# Altium PCB OBC.PcbDoc (part 1 of 2) (continued)
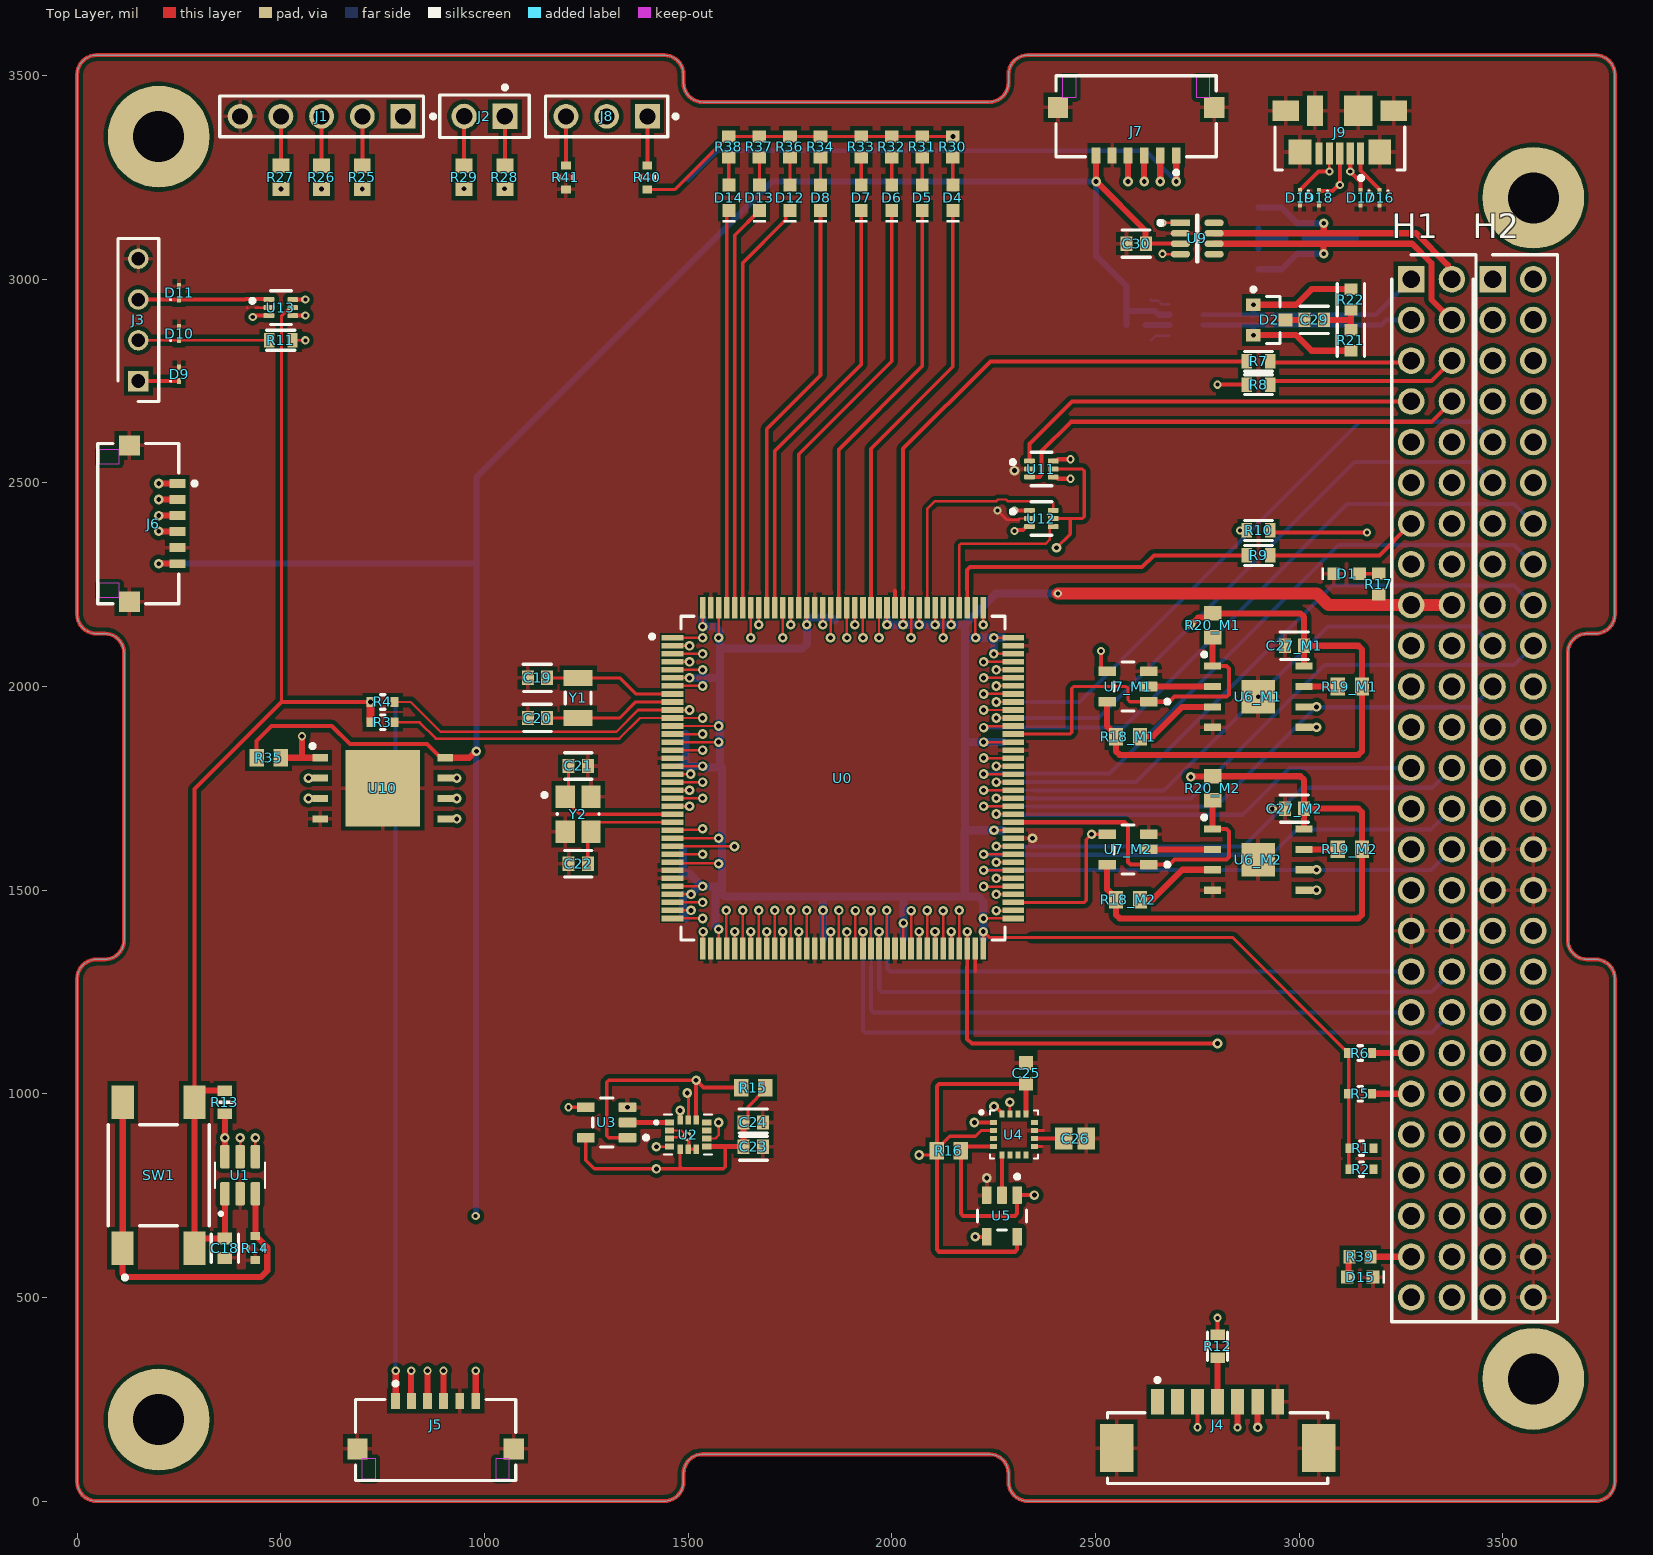
[diagram p0: Top Layer view]
## Part data
C1 C4: library part CMP-06035-000034-2, "CAP CER 4.7UF 10V X7S 0603", Case Code (Imperial)=0603, Case Code (Metric)=1608, Dielectric=X7S, Max Operating Temperature=125°C, Min Operating Temperature=-55°C, Package Quantity=4000, Resistor Type=Ceramic, Tolerance=10%, Voltage Rating=10V, Capacitance=4.7uF, Case/Package=0603, Height=0.8mm, Length=1.6mm, Material=Ceramic, Mount="Surface Mount", Packaging="Tape and Reel", Termination=SMD/SMT, Thickness=0.037inch, Voltage Rating (DC)=10V, Weight=0.000222oz, Width=0.8mm
C2 C3 C5 C6 C7 C8 C9 C10 C11 C12 C13 C17 C18 C23 C24 C27_M1 C27_M2 C28 C30: library part CMP-2006-03061-2, "CAP CER 0.1UF 50V X7R 0603", Capacitance="0.10 μF", Manufacturer=KEMET, Manufacturer Part Number=C0603C104K5RACTU, Package=C0603C-CF, Temperature="-55°C to +125°C", Temperature Characteristic=X7R, Temperature Coefficient=30ppm/°C, Temperature Range High=+125°C, Temperature Range Low=-55°C, Tolerance=0.1, Voltage Rating="50 V", Automotive=Yes, Automotive Grade="Grade 1", Category=Cap, ComponentLink2Description=Datasheet, ComponentLink2URL=https://api.kemet.com/component-edge/download/datasheet/C0603C100J5GACAUTO.pdf, Device Class L1="Passive Components", Device Class L2=Capacitors, Device Class L3="Ceramic Capacitors", Digikey Description="CAP CER 0.1UF 50V X7R 0603", Height=0.87mm, Lead Free=Yes, Material=Ceramic, Octopart=https://octopart.com/c0603c104k5ractu-kemet-139244, RoHS=TRUE
C14: library part CMP-2006-02943-2, "Chip Multilayer Ceramic Capacitors for General Purpose, 0603, 10000pF, X7R, 15%, 10%, 100V", Case Code (Imperial)=0603, Case Code (Metric)=1608, Dielectric=X7R, Max Operating Temperature=125°C, Min Operating Temperature=-55°C, Package Quantity=4000, Tolerance=10%, Voltage=100V, Capacitance=10nF, Case/Package=0603, Depth=0.8mm, Height=0.8mm, Lead Free="Lead Free", Length=1.6mm, Material=Ceramic, Mount="Surface Mount", Packaging="Tape and Reel", Radiation Hardening=No, REACH SVHC="No SVHC", Termination=SMD/SMT, Thickness=0.035inch, Voltage Rating=100V, Voltage Rating (DC)=100V, Width=0.031inch
C15 C16 C25: library part CMP-2006-02298-2, Manufacturer=Kemet, Part Number=C0603C105K4RACTU
C19 C20: library part CMP-2006-03373-2, "CAP CER 1.5PF 100V NP0 0603", Capacitance="1.5 pF", Manufacturer=KEMET, Manufacturer Part Number=C0603C159C1GACTU, Package=C0603C-CF, Temperature="-55°C to +125°C", Temperature Characteristic=C0G, Temperature Coefficient=30ppm/°C, Temperature Range High=+125°C, Temperature Range Low=-55°C, Tolerance="0.25 pF", Voltage Rating="100 V", Automotive=Yes, Automotive Grade="Grade 1", Category=Cap, ComponentLink2Description=Datasheet, ComponentLink2URL=https://api.kemet.com/component-edge/download/datasheet/C0603C100J5GACAUTO.pdf, Device Class L1="Passive Components", Device Class L2=Capacitors, Device Class L3="Ceramic Capacitors", Digikey Description="CAP CER 1.5PF 100V NP0 0603", Height=0.87mm, Lead Free=Yes, Material=Ceramic, Mouser Description="Multilayer Ceramic Capacitors MLCC - SMD/SMT 100volts 1.5pF C0G 0.25%", Octopart=https://octopart.com/c0603c159c1gactu-kemet-9144220, RoHS=TRUE
C21 C22: library part CMP-2006-02987-2, "CAP CER 3.9PF 250V C0G/NP0 0603", Capacitance="3.9 pF", Manufacturer=KEMET, Manufacturer Part Number=CBR06C399CAGAC, Package=CBR06C, Temperature="-55°C to +125°C", Temperature Characteristic=C0G, Temperature Coefficient=30ppm/°C, Temperature Range High=+125°C, Temperature Range Low=-55°C, Tolerance="0.25 pF", Voltage Rating="250 V", Automotive=No, Category=Cap, ComponentLink2Description=Datasheet, ComponentLink2URL=https://content.kemet.com/datasheets/KEM_C1030_CBR_SMD.pdf, Device Class L1="Passive Components", Device Class L2=Capacitors, Device Class L3="Ceramic Capacitors", Digikey Description="CAP CER 3.9PF 250V C0G/NP0 0603", Height=0.87mm, Ipc Land Pattern Name=CAPC16080X80, Lead Free=Yes, Material=Ceramic, Mouser Description="Multilayer Ceramic Capacitors MLCC - SMD/SMT 250volts 3.9pF C0G 0603 .25pF Tol RF", Octopart=https://octopart.com/cbr06c399cagac-kemet-20446767, RoHS=TRUE
C26: library part CMP-2007-01044-1, Manufacturer=Kemet, Part Number=C0805C106K8RACTU
C29 C31: library part CMP-2006-03218-2, "CAP CER 4700PF 200V 10% X7R 0603", Capacitance="4,700 pF", Manufacturer=KEMET, Package=C0603C-CF, Temperature="-55°C to +125°C", Temperature Characteristic=X7R, Temperature Coefficient=30ppm/°C, Temperature Range High=+125°C, Temperature Range Low=-55°C, Tolerance=0.1, Voltage Rating="200 V", Automotive=Yes, Automotive Grade="Grade 1", Category=Cap, ComponentLink2Description=Datasheet, ComponentLink2URL=https://api.kemet.com/component-edge/download/datasheet/C0603C100J5GACAUTO.pdf, Device Class L1="Passive Components", Device Class L2=Capacitors, Device Class L3="Ceramic Capacitors", Digikey Description="CAP CER 4700PF 200V 10% X7R 0603", Height=0.87mm, Lead Free=Yes, Manufacturer Part Number=C0603C472K2RACTU, Material=Ceramic, Octopart=https://octopart.com/c0603c472k2ractu-kemet-17058096, RoHS=TRUE
D1 D4 D5 D6 D7 D8 D12 D13 D14 D15: library part CMP-1426-00001-4, "LED Low-Power Uni-Color Red 630nm 2V 2-Pin Chip 0603(1608Metric) T/R", Case Code (Imperial)=0603, Case Code (Metric)=1608, Color=Red, Forward Current=100mA, Forward Voltage=2V, Max Junction Temperature (Tj)=95°C, Max Operating Temperature=85°C, Max Reverse Voltage (DC)=5V, Min Operating Temperature=-40°C, Power Dissipation=72mW, Test Current=20mA, Case/Package=0603, Dominant Wavelength=625nm, Height=700µm, Length=1.6mm, Lens Style="Clear, Rectangular", Luminous Intensity=250mcd, Mount="Surface Mount", Packaging="Tape and Reel", Peak Wavelength=630nm, REACH SVHC=Unknown, Reverse Voltage=5V, RoHS=Compliant, Viewing Angle=140°, Wavelength=625nm, Width=800µm
D2 D3: library part CMP-1063-00164-1, "Dual Line CAN Bus Protector, 3-Pin SOT-23, Pb-Free, Tape and Reel", Manufacturer="On Semiconductor", C Max (pF)=30, ComponentLink1Description="Manufacturer URL", ComponentLink1URL=http://www.onsemi.com/, ComponentLink2Description=Datasheet, ComponentLink2URL=http://www.onsemi.cn/pub_link/Collateral/NUP2105L-D.PDF, ComponentLink3Description="Package Specification", ComponentLink3URL=http://www.onsemi.cn/pub_link/Collateral/318-08.PDF, DatasheetVersion="Rev. 5", Direction=Bidirectional, IR Max (uA)=0.1, Mounting Technology="Surface Mount", Number of Lines=2, PackageDescription="3-Pin Small Outline Transistor, Body 2.92 x 1.3 mm, Pitch 0.95 mm", PackageReference=SOT-23-3-318-08, PackageVersion="Rev. AP, 11/2009", Packing="Tape and Reel", PartNumber=NUP2105LT1G, PPK Max (W)=350, RoHS=Pb-Free, V(BR) Min (V)=26.2
D9 D10 D11 D16 D17 D18 D19: library part CMP-1063-00119-1, "Transient Voltage Suppressor, Micro-Packaged Diode for ESD Protection, 2-Pin SOD-923, Pb-Free, Tape and Reel", Manufacturer="On Semiconductor", ComponentLink1Description="Manufacturer URL", ComponentLink1URL=http://www.onsemi.com/, ComponentLink2Description=Datasheet, ComponentLink2URL=http://www.onsemi.cn/pub_link/Collateral/ESD9B-D.PDF, ComponentLink3Description="Package Specification", ComponentLink3URL=http://www.onsemi.com/pub_link/Collateral/514AB.PDF, DatasheetVersion="Rev. 2", Direction=Bidirectional, IR Max (uA)=1, Mounting Technology="Surface Mount", Number of Lines=1, PackageDescription="2-Pin SOD, Body 0.8 x 0.6 mm", PackageReference=SOD-923-2-514AB-01, PackageVersion="Rev. C, 03/2011", Packing="Tape and Reel", PartNumber=ESD9B5.0ST5G, RoHS=Pb-Free, V(BR) Min (V)=5.8, VRWM Max (V)=5
H1 H2: library part CMP-002-00086-1, "PC / 104 Connectors Elevated Socket Strip", Manufacturer_Name=SAMTEC, Mouser Part Number=200-ESQ12639GD001, Arrow Part Number=ESQ-126-39-G-D-001, Arrow Price/Stock=https://www.arrow.com/en/products/esq-126-39-g-d-001/samtec?region=nac, Datasheet Link=http://suddendocs.samtec.com/catalog_english/esq_th.pdf, Design Item ID=ESQ-126-39-G-D-001, Height=11.35mm, Manufacturer_Part_Number=ESQ-126-39-G-D-001, Mouser Price/Stock=https://www.mouser.co.uk/ProductDetail/Samtec/ESQ-126-39-G-D-001?qs=PB6%2FjmICvI2K%2FCIgL4SVbg%3D%3D, Source=SamacSys.SchLib
J1: library part CMP-00257-00655425-1, "90120-0125 2.54mm Pitch C-Grid III Header, Single Row, Vertical, 5 Circuits, Tin (Sn) Plating", Contact Resistance=20mΩ, Current Rating=3A, Housing Color=Black, Manufacturer Lifecycle Status=ACTIVE, Max Operating Temperature=125°C, Max Voltage Rating (DC)=350.35kV, Min Operating Temperature=-55°C, Voltage Rating=350V, Contact Gender=Male, Contact Material=Brass, Contact Plating=Tin, Country of Origin=SK, Gender=Male, Glow Wire Compliant=Non-compliant, Housing Material=Polyester, Lead Free="Lead Free", Lead Length=2.9mm, Lead Pitch=2.54mm, Lifecycle Status=Production, Mating Post Length=6.75mm, Mount="Through Hole", NexarPartId=655425, Number of Circuits=5, Number of Contacts=5, Number of Pins=5, Number of Positions=5, Number of Rows=1, Orientation=Vertical, Packaging=Bulk, Pitch=2.54mm, Plating=Tin, Radiation Hardening=No, REACH SVHC="No SVHC", RoHS=Compliant, Schedule B=8536694040, Termination=Solder, Voltage Rating (AC)=350V
J2: library part CMP-15831-000105-1, "CONN HEADER VERT 2POS 2.54MM", Case/Package=SIL, Color=Black, Contact Resistance=25mR, Current=3A, Flammability Rating="UL94 V-0", Insulation Resistance=10GR, Max Operating Temperature=105°C, Min Operating Temperature=-40°C, Package Quantity=1000, Voltage=50V, Voltage Rating (AC)=750V, Connector Type="Male Pin", Contact Finish - Mating=GOLD, Contact Material=Brass, Contact Mating Length=0.24inch, Contact Plating=Gold, Contact Shape=Square, Contact Type="Male Pin", Current Rating=3A, Depth=2.54mm, Fastening Type=Pull, Gender=Male, Height=0.12inch, Housing Color=Black, Housing Material=Nylon, Insulation Color=Black, Insulation Material=Nylon, Lead Pitch=2.54mm, Length=5.08mm, Mated Stacking Heights=16.54mm, Mating Cycles=300, Max Current Rating=3A, Mount="Through Hole", Number of Contacts=2, Number of Poles=2, Number of Positions=2, Number of Rows=1, Orientation=Straight, Packaging=Bulk, Pitch=2.54mm, Radiation Hardening=No, Reach SVHC Compliant=Yes, Series=M20, Termination=Solder, Weight=0.25lb, Width=0.25inch, Working Voltage=750V
J3: "Connector", Manufacturer_Name=Molex, Mouser Part Number=538-90120-0124, Datasheet Link=https://componentsearchengine.com/Datasheets/2/90120-0124.pdf, Height=9.45mm, Manufacturer_Part_Number=90120-0124, Mouser Price/Stock=https://www.mouser.co.uk/ProductDetail/Molex/90120-0124?qs=PvP5v7EimsmprSEogp1JLQ%3D%3D
J4: library part CMP-04776-000278-1, "CONN HEADER SMD R/A 7POS 1.25MM", Color=Natural, Contact Resistance=20mR, Current Rating=1A, Flammability Rating="UL94 V-0", Insulation Resistance=100MR, Max Operating Temperature=85°C, Min Operating Temperature=-40°C, Voltage Rating=125V, Body Plating=Tin, Connector Type="Blade Pin", Contact Gender=Male, Contact Material=Bronze, Contact Plating=Tin, Contact Type="Blade Pin", Depth=5.2mm, Housing Color=Natural, Housing Material=Nylon, Lead Pitch=1.25mm, Length=13.9mm, Mount="Surface Mount", Number of Contacts=7, Number of Positions=7, Number of Rows=1, Orientation="Right Angle", Packaging="Tape and Reel", Pitch=1.25mm, Radiation Hardening=No, RoHS Compliant=Yes, Series=PicoBlade, Termination=Solder, Voltage Rating (AC)=125V, Working Voltage=125V
J5 J6 J7: library part CMP-04776-000530-1, "CONN HEADER SMD R/A 6POS 1MM"
J8: library part CMP-04776-000237-1, "CONN HEADER VERT 3POS 2.54MM", Color=Black, Contact Resistance=20mR, Current Rating=3A, Max Operating Temperature=125°C, Max Voltage Rating (DC)=350.35kV, Min Operating Temperature=-55°C, Voltage Rating=350V, Contact Gender=Male, Contact Material=Brass, Contact Mating Length=6.75mm, Contact Plating=Tin, Contact Post Length=2.9mm, Gender=Male, Glow Wire Compliant=Non-compliant, Housing Color=Black, Housing Material=Polyester, Lead Free="Lead Free", Mount="Through Hole", Number of Circuits=3, Number of Contacts=3, Number of Positions=3, Number of Rows=1, Orientation=Vertical, Packaging=Tray, Pitch=2.54mm, Radiation Hardening=No, REACH SVHC="No SVHC", RoHS Compliant=Yes, Series=90120, Termination=Solder, Voltage Rating (AC)=350V
J9: library part CMP-2000-05246-2, "CONN RCPT USB2.0 MICRO B SMD R/A", Current Rating=1.8A, Manufacturer=Molex, Package=0, Temperature="-30°C to +85°C", Temperature Range High=+85°C, Temperature Range Low=-30°C, Voltage Rating=30V, Automotive=No, Category=Conn, ComponentLink2Description=Datasheet, ComponentLink2URL=https://www.molex.com/webdocs/datasheets/pdf/en-us/0473460001_IO_CONNECTORS.pdf, Conn Orientation="Right Angle", Contact Material=Gold,Nickel, Device Class L1=Connectors, Device Class L2="USB Connectors", Device Class L3=unset, Digikey Description="CONN RCPT USB2.0 MICRO B SMD R/A", Footprint Url=https://www.molex.com/pdm_docs/sd/473460001_sd.pdf, Height=2.945mm, Is Female=yes, Lead Free=Yes, Manufacturer Part Number=473460001, Number of Contacts=5, Octopart=https://octopart.com/47346-0001-molex-7164928, Pitch=0.65mm, RoHS=TRUE, Shielding=true, Usb Standard="USB 2.0"
R1 R2 R3 R4 R5 R6 R14 R40 R41: library part CMP-2000-01851-2, "RES 10K OHM 5% 1/10W 0603", Case Code (Imperial)=0603, Case Code (Metric)=1608, Max Operating Temperature=155°C, Min Operating Temperature=-55°C, Package Quantity=5000, Power Rating=100mW, Resistance=10kR, Resistance Tolerance=5%, Resistor Type="Thick Film", Temperature Coefficient=200ppm/°C, Voltage Rating=50V, Case/Package=0603, Construction=Rectangular, Depth=0.8mm, Height=0.45mm, Lead Free="Lead Free", Length=1.6mm, Military Standard=Not, Number of Pins=2, Packaging="Tape and Reel", RoHS Compliant=Yes, Series=RK73B, Technology="THICK FILM", Termination=SMD/SMT, Tolerance=5%, Voltage Rating (DC)=50V, Width=0.8mm
R7 R8 R9 R10 R11 R12: library part CMP-00287-21317759-1, "ERJ-P03F1000V SMD Chip Resistor, 100 Ohm, ± 1%, 200 mW, 0603 [1608 Metric], Thick Film, Anti-Surge", Case Code (Imperial)=0603, Case Code (Metric)=1608, Max Operating Temperature=155°C, Min Operating Temperature=-55°C, Power Rating=200mW, Resistance=100Ω, Temperature Coefficient=200ppm/°C, Tolerance=1%, Voltage Rating=150V, Case/Package=0603, Composition="Thick Film", Contact Plating=Tin, Depth=800µm, Height=550µm, Length=1.6mm, Lifecycle Status=Production, Military Standard=Not, Mount="Surface Mount", NexarPartId=21317759, Number of Pins=2, Packaging="Cut Tape", Radiation Hardening=No, REACH SVHC="No SVHC", RoHS=Compliant, Schedule B="8533210045, 8533210045", Termination=Tab, Voltage Rating (DC)=150V
R13: library part CMP-2000-00875-2, Case Code (Imperial)=0603, Case Code (Metric)=1608, Max Operating Temperature=155°C, Max Power Dissipation=100mW, Min Operating Temperature=-55°C, Resistance=100kΩ, Temperature Coefficient=25ppm/°C, Tolerance=0.1%, Voltage Rating=75V, Case/Package=0603, Composition="Thin Film", Contact Plating=Tin, Depth=800µm, Features="Automotive AEC-Q200", Height=450µm, Lead Free="Lead Free", Length=1.6mm, Lifecycle Status=Production, Military Standard=Not, Mount="Surface Mount", NexarPartId=1243428, Number of Pins=2, Number of Terminations=2, Packaging="Cut Tape", Power Rating=100mW, Radiation Hardening=No, REACH SVHC="No SVHC", RoHS=Compliant, Schedule B="8533210045, 8533210045", Termination=SMD/SMT, Voltage Rating (DC)=75V, Width=800µm, Working Voltage=75V
R15 R16 R18_M1 R18_M2 R19_M1 R19_M2 R20_M1 R20_M2 R35: library part CMP-2000-01852-1, Manufacturer="KOA Speer", Part Number=RK73B1JTTD104J
R17 R30 R31 R32 R33 R34 R36 R37 R38 R39: library part CMP-2000-00435-2, "Chip Resistor, 330 Ohm, +/- 1%, 0.1 W, -55 to 155 degC, 0603 (1608 Metric), RoHS, Tape and Reel", Current Rating="500 mA", Max Operating Temperature="85 degC", Min Operating Temperature="-25 degC", Package Quantity=1500, Voltage Rating="10 V", ComponentLink1Description="Manufacturer URL", ComponentLink1URL=http://www.panasonic.com/, ComponentLink2Description=Datasheet, ComponentLink2URL=http://industrial.panasonic.com/cdbs/www-data/pdf/RDA0000/AOA0000C86.pdf, Contact Finish=Gold, Contact Material=Copper, Contact Plating=Gold, DatasheetVersion=Apr-15, Gender=Male, Height="1.45 mm", Lead Pitch="1.1 mm", Length="13.7 mm", Mating Cycles=10000, Mount="Surface Mount", PackageDescription="2-Pin Surface Mount Device, Body 1.6 x 0.85 mm", PackageReference=0603, Packaging="Tape and Reel", Pins=8, REACH SVHC="No SVHC", RoHSCompliant=true, Width="1.45 mm"
R21 R22 R23 R24: library part CMP-13261-005441-1, "Res Thick Film 0603 60.4Ω 1% 0.1W ±100ppm/°C Molded SMD T/R", Case Code (Imperial)=0603, Case Code (Metric)=1608, Max Operating Temperature=155°C, Max Power Dissipation=100mW, Min Operating Temperature=-55°C, Resistance=60.4R, Temperature Coefficient=100ppm/°C, Tolerance=1%, Voltage Rating (DC)=50V, Case/Package=0603, Composition="Thick Film", Contact Plating=Tin, Depth=0.8mm, Features="Moisture Resistant", Height=0.022inch, Lead Free="Lead Free", Length=0.063inch, Military Standard=Not, Number of Terminations=2, Packaging="Tape and Reel", Power Rating=100mW, Radiation Hardening=No, Width=0.031inch
R25 R26 R27 R28 R29: library part CMP-2000-00538-1, Manufacturer=Panasonic, Part Number=ERJ-3EKF49R9V
SW1: library part CMP-03402-000003-1, "SWITCH TACTILE SPST-NO 0.05A 24V", Contact Current Rating=50mA, Contact Resistance=100mΩ, Manufacturer="TE Connectivity", Operating Force=260gf, Package=0, Temperature="-35°C to +85°C", Temperature Range High=+85°C, Temperature Range Low=-35°C, Voltage Rating Dc=24V, Automotive=No, Category=Switch, ComponentLink2Description=Datasheet, ComponentLink2URL=https://www.te.com/commerce/DocumentDelivery/DDEController?Action=showdoc&DocId=Customer+Drawing%7F2-1437565-7%7FV%7Fpdf%7FEnglish%7FENG_CD_2-1437565-7_V.pdf%7F2-1437565-8, Device Class L1=Electromechanical, Device Class L2=Switches, Device Class L3="Pushbutton Switches", Digikey Description="SWITCH TACTILE SPST-NO 0.05A 24V", Electromechanical Life=100000Cycles, Height=4.59mm, Lead Free=Yes, Manufacturer Part Number=FSM2JSMAA, Mount="Surface Mount", Mouser Description="Tactile Switches TACTILE 260G FORCE S", Octopart=https://octopart.com/fsm2jsmaa-te+connectivity-41720620, RoHS=TRUE, Standoff Height=0.05mm, Throw Configuration=SPST-NO
U0: library part CMP-12105-000038-2, "IC MCU 32BIT 1MB FLASH 144LQFP", Ambient Temperature Range High=85°C, Frequency=80MHz, Manufacturer Package Identifier=LQFP144-1A, Max Junction Temperature (Tj)=105°C, Max Supply Voltage=3.6V, Min Operating Temperature=-40°C, Min Supply Voltage=1.05V, Nominal Supply Current=30nA, Core Architecture="ARM Cortex-M4", Data Bus Width=32b, Flash Memory Size=1MB, Height=1.6mm, Interface="CAN, I2C, I2S, IrDA, LIN, SPI, UART, USART, USB", Lifecycle Status=Production, Max Operating Temperature=85°C, Memory Size=1MB, Memory Type=FLASH, NexarPartId=80927210, Number of A/D Converters=3, Number of ADC Channels=24, Number of Channels=24, Number of D/A Converters=2, Number of I2C Channels=4, Number of I/Os=115, Number of PWM Channels=28, Number of SPI Channels=3, Number of Timers/Counters=2, Number of UART Channels=2, Number of USART Channels=3, Number of USB Channels=1, RAM Size=320kB, RoHS=Non-Compliant, Schedule B="8542310000, 8542310000"
U1: library part CMP-049-000000-1, "Automotive AEC-Q100, nano-powered system timer with watchdog function", Package="SOT-23-THN-6 Texas Instruments", Check_prices=https://www.snapeda.com/parts/TPL5010QDDCTQ1/Texas+Instruments/view-part/?ref=eda, Component Type=Standard, Design Item ID=TPL5010QDDCTQ1, MF="Texas Instruments", MP=TPL5010QDDCTQ1, Pin Count=6, SnapEDA_Link=https://www.snapeda.com/parts/TPL5010QDDCTQ1/Texas+Instruments/view-part/?ref=snap, Source=TPL5010QDDCTQ1.SchLib
U2: library part CMP-064-000000-1, "Accelerometer, Gyroscope, Temperature, 6 Axis Sensor I2C, SPI Output", Package="VFLGA-14 STMicroelectronics", Check_prices=https://www.snapeda.com/parts/ISM330ISNTR/STMicroelectronics/view-part/?ref=eda, Component Type=Standard, Design Item ID=ISM330ISNTR, MF=STMicroelectronics, MP=ISM330ISNTR, Pin Count=14, SnapEDA_Link=https://www.snapeda.com/parts/ISM330ISNTR/STMicroelectronics/view-part/?ref=snap, Source=ISM330ISNTR.SchLib
U3 U5 U7_M1 U7_M2: library part CMP-0859-00018-4, "IC BUF NON-INVERT 5.5V SOT23-5", Ambient Temperature Range High=+125°C, Ambient Temperature Range Low=-40°C, Manufacturer="Texas Instruments", Max Supply Voltage=5.5V, Min Supply Voltage=1.65V, Nominal Supply Current=10uA, Package=DBV0005A, Temperature="-40°C to +125°C", Automotive=No, Category=IC, ComponentLink2Description=Datasheet, ComponentLink2URL=http://www.ti.com/lit/ds/symlink/sn74lvc1g125.pdf, Device Class L1="Integrated Circuits (ICs)", Device Class L2="Logic ICs", Device Class L3="Logic Gates", Digikey Description="IC BUF NON-INVERT 5.5V SOT23-5", Height=1.45mm, Lead Free=Yes, Logic Function Desc=Non-Inverting, Manufacturer Part Number=SN74LVC1G125DBVT, Mouser Description="Buffers & Line Drivers SNGL Bus Buffer Gate", Number of Circuits=1, Number Of Inputs=1, Number of Outputs=1, Octopart=https://octopart.com/sn74lvc1g125dbvt-texas+instruments-1006799, Propagation Delay=4.2ns, RoHS=TRUE, Standoff Height=0mm, Temperature Range High=+125°C, Temperature Range Low=-40°C
U4: library part CMP-051-000000-1, "MMC5983 series Magnetic, Magnetometer Sensor Evaluation Board", Package="VFLGA-16 Memsic Inc.", Availability="In Stock", Check_prices=https://www.snapeda.com/parts/MMC5983MA/Memsic+Inc./view-part/?ref=eda, Component Type=Standard, Design Item ID=MMC5983MA, MF="Memsic Inc.", MP=MMC5983MA, Pin Count=16, Price=None, Purchase-URL=https://pricing.snapeda.com/search/part/MMC5983MA/?ref=eda, SnapEDA_Link=https://www.snapeda.com/parts/MMC5983MA/Memsic+Inc./view-part/?ref=snap, Source=MMC5983MA.SchLib
U6_M1 U6_M2: "Integrated Circuit", Manufacturer_Name="Everspin Technologies", Mouser Part Number=936-MR25H40MDF, Arrow Part Number=MR25H40MDF, Arrow Price/Stock=https://www.arrow.com/en/products/mr25h40mdf/everspin-technologies?utm_currency=USD&region=europe, Datasheet Link=https://datasheet.datasheetarchive.com/originals/distributors/Datasheets-DGA23/1514724.pdf, Height=0.9mm, Manufacturer_Part_Number=MR25H40MDF, Mouser Price/Stock=https://www.mouser.co.uk/ProductDetail/Everspin-Technologies/MR25H40MDF?qs=laR3Dyet2Vc5UBOlfE70WA%3D%3D
U8 U9: library part CMP-04872-000198-1, "IC TRANSCEIVER 1/1 SOT23-8", Case/Package=SOT-23, Max Operating Temperature=125°C, Max Supply Voltage=3.6V, Min Operating Temperature=-40°C, Min Supply Voltage=3V, Interface=CAN, Lead Free="Lead Free", Number of Pins=8, Packaging="Cut Tape", REACH SVHC="No SVHC", RoHS Compliant=Yes
U10: "Integrated Circuit", Manufacturer_Name=Infineon, Mouser Part Number=727-S25HL512TFANHI01, Datasheet Link=https://datasheet.datasheetarchive.com/originals/distributors/Datasheets_SAMA/73f7ac27cabd57f4f78d8f5aeecdde91.pdf, Height=0.8mm, Manufacturer_Part_Number=S25HL512TFANHI010, Mouser Price/Stock=https://www.mouser.co.uk/ProductDetail/Infineon-Technologies/S25HL512TFANHI010?qs=BJlw7L4Cy7%252B6M3sHZp0BRA%3D%3D
U11 U12 U13: library part CMP-0859-00812-4, "IC BUFFER NON-INVERT 5.5V 6SOT", Case/Package=SOT, High Level Output Current=-32mA, Low Level Output Current=32mA, Max Operating Temperature=125°C, Max Supply Voltage=5.5V, Min Operating Temperature=-40°C, Min Supply Voltage=1.65V, Package Quantity=4000, Quiescent Current=10uA, Contact Plating=Gold, Lead Free="Lead Free", Logic Function=Buffer, Mount="Surface Mount", Number of Bits=2, Number of Bits per Element=1, Number of Channels=2, Number of Elements=2, Number of Gates=2, Number of Input Lines=2, Number Of Inputs=2, Number of Output Lines=2, Number of Outputs=2, Number of Pins=6, Packaging="Tape and Reel", Polarity=Non-Inverting, Propagation Delay=8.6ns, Radiation Hardening=No, REACH SVHC="No SVHC", RoHS Compliant=Yes, Series=74LVC, Technology=CMOS, Turn-On Delay Time=8.6ns
Y1: library part CMP-200220-000018-1, "CRYSTAL 32.7680KHZ 6PF SMD", Case/Package=SMD/SMT, ESR (Equivalent Series Resistance)=70kR, Frequency=32.768kHz, Load Capacitance=6pF, Max Operating Temperature=85°C, Min Operating Temperature=-40°C, Ratings=AEC-Q200, Mount="Surface Mount", Packaging="Tape and Reel"
Y2: library part CMP-200220-000007-1, "CRYSTAL 16.0000MHZ 8PF SMD", Case/Package=SMD/SMT, ESR (Equivalent Series Resistance)=80R, Frequency=16MHz, Frequency Stability=30ppm, Frequency Tolerance=20ppm, Load Capacitance=8pF, Max Operating Temperature=85°C, Min Operating Temperature=-40°C, Package Quantity=3000, Height=0.035inch, Length=0.126inch, Mount="Surface Mount", Number of Pins=4, Packaging="Tape and Reel", Width=0.098inch

## Free pads (board coordinates)
  round 250 hole 125.2: 1(200,3350) 2(3575.2,3200) 3(3575.2,300) 4(200,200)

## Via types
v1: diameter 23.62, hole 11.81, Top Layer to vertical, 111 vias
v2: diameter 20, hole 10, horizontal to vertical, 62 vias
v3: diameter 23.62, hole 11.81, Top Layer to Bottom Layer, 50 vias
v4: diameter 20, hole 10, Top Layer to vertical, 12 vias
v5: diameter 23.62, hole 11.81, Top Layer to horizontal, 11 vias
v6: diameter 20, hole 10, Top Layer to horizontal, 11 vias
v7: diameter 23.62, hole 11.81, horizontal to vertical, 6 vias
v8: diameter 20, hole 11.81, horizontal to vertical, 5 vias
v9: diameter 20, hole 11.81, Top Layer to vertical, 5 vias
v10: diameter 20, hole 10, horizontal to Bottom Layer, 3 vias
v11: diameter 23.62, hole 11.81, vertical to Bottom Layer, 2 vias
v12: diameter 20, hole 10, vertical to Bottom Layer, 2 vias
v13: diameter 20, hole 10, Top Layer to Bottom Layer, 1 vias
v14: diameter 20, hole 11.81, Top Layer to Bottom Layer, 1 vias

## Nets (pads, with @x,y where several pads share a name; then routed paths per layer and width w, separated by ;. In a path a pad name is that pad's centre, name@x,y a point inside that pad or via, vN(x,y) a via of type N, cw(c..) or ccw(c..) an arc to the next point about the centre after c; other vN are vias at no path point)
3V3_A: C23.1 C24.1 C25.1 C27_M1.1 C27_M2.1 C28.1 C30.1 H1.47 H1.48 H1.49 J4.6 J5.6 J6.6 J7.6 R15.2 R16.2 R18_M1.1 R18_M2.1 R19_M1.1 R19_M2.1 R20_M1.2 R20_M2.2 R35.2 R39.1 U2.5 U2.8 U3.5 U4.2 U4.13 U5.5 U6_M1.8 U6_M2.8 U7_M1.5 U7_M2.5 U8.3 U9.3 U10.8 | length 16597.5
  Top Layer w8: U3.5@1248.82,892.13 1248.82,836.82 1269.95,815.68 v5(1422,815.68) 1485,815.68 ; U2.5@1480.32,864.07 1480.32,820.37 1485,815.68 ; 1591.07,870.47 1591.07,820.37 1586.39,815.68 1485,815.68 ; C24.1@1636.38,929.53 1647.14,940.29 1647.14,968.68 1689.53,1011.06 R15.2@1689.53,1015 ; v5(2067.01,849.8) 2100.33,849.8 R16.2@2110.53,860 ; R16.2@2121.27,874.69 2142.24,895.65 2205.5,895.65 2219.69,909.84 U4.2@2249.8,909.84
  Top Layer w10: R35.2@440.47,1825 440.47,1866.34 477.13,1903 625,1903 669.5,1858.5 859.18,1858.5 888.82,1828.86 899.68,1828.86 U10.8@903.54,1825 ; R16.2@2123.24,872.72 R16.2@2110.53,860 ; U5.5@2307.93,648.82 2307.93,618.02 2302.07,612.16 2116.38,612.16 2110.53,618.02 R16.2@2110.53,860 ; C25.1@2329.58,1024.41 2116.38,1024.41 2110.53,1018.55 R16.2@2110.53,860 ; C30.1@2622.94,3087.89 2623.44,3087.39 2674.73,3087.39 2674.91,3087.2 U9.3@2708.64,3087.2
  Top Layer w12: U2.8@1545.77,870.47 1591.07,870.47 C23.1@1636.38,870.47 ; U4.13@2329.58,951.55 C25.1@2329.58,1024.41
  Top Layer w15: v3(200,2301.57) J6.6@245.87,2301.57 ; U10.8@903.54,1825 962.67,1825 978.67,1841 v3(980,1841) ; J5.6@978.43,245.87 v9@978.43,319.53 ; C23.1@1636.38,870.47 C24.1@1636.38,929.53 ; J7.6@2501.57,3304.13 v3(2501.57,3240) 2622.94,3118.63 C30.1@2622.94,3087.89 ; U7_M2.5@2528.82,1562.6 2528.82,1502.17 2550.47,1480.51 R18_M2.1@2550.47,1476.57 2550.47,1439.3 2559.26,1430.51 3145.74,1430.51 3154.53,1439.3 R19_M2.1@3154.53,1600 3154.53,1691.21 3145.74,1700 C27_M2.1@3012.2,1700 ; U7_M1.5@2528.82,1962.6 2528.82,1902.17 2550.47,1880.51 2550.47,1840.79 2559.26,1832 3145.74,1832 3154.53,1840.79 R19_M1.1@3154.53,1996.06 ; v1(2734,1778) 2734.76,1778.76 2787.03,1778.76 R20_M2.2@2787.79,1779.53 3003.42,1779.53 3012.2,1770.74 C27_M2.1@3012.2,1700 ; v1(2734,2153.19) 2736.33,2153.19 2752.45,2169.31 2777.58,2169.31 R20_M1.2@2787.79,2179.53 3003.42,2179.53 3012.2,2170.74 C27_M1.1@3012.2,2100 ; v5(2898.43,181) J4.6@2898.43,244.17 ; U6_M2.8@3012.2,1650 C27_M2.1@3012.2,1700 ; U6_M1.8@3012.2,2050 C27_M1.1@3012.2,2100 ; R19_M1.1@3154.53,2000 3154.53,2091.21 3145.74,2100 C27_M1.1@3012.2,2100 ; R39.1@3175.59,600 H1.49@3275.2,600
  horizontal w8: 1422,700 v5(1422,815.68) ; 2067.01,700.01 v5(2067.01,849.8)
  horizontal w15: v9(978.43,320) v13(978.43,700) ; v5(2898.43,181) 2898.43,699.43 2899,700
  horizontal w30: v13(978.43,700) 1422,700 2067,700 2899,700 H1.47@3275.2,700 ; H1.49@3275.2,600 H1.47@3275.2,700 ; H1.48@3375.2,700 H1.47@3275.2,700
  vertical w15: v3(2501.57,3240) 2537,3275.43 2739.79,3275.43 2748.57,3266.64 2748.57,2718.37 2734,2703.79 v1(2734,2153.19) v1(2734,1778)
  Bottom Layer w15: v3(200,2301.57) 978.43,2301.57 980,2300 ; v13(978.43,700) 979.21,700.79 979.21,1840.21 v3(980,1841) 980,2300 ; C28.1@2576.38,2887.2 2576.38,2920.79 ; U8.3@2681.21,2912.8 2655.26,2912.8 2645.63,2922.42 2578.01,2922.42 2576.38,2920.79 ; 980,2300 980,2514 1706,3240 v3(2501.57,3240) 2501.57,3057.43 2576.38,2982.62 2576.38,2920.79
A_2_OBC: H1.7 U11.1 | length 1022.6
  Top Layer w10: U11.1@2338,2553.68 2338,2595.98 2442.02,2700 H1.7@3275.2,2700
ADC1_INP5: U0.34 | length 73.8
  Top Layer w6: U0.34@1461.69,1469.88 v1(1535.51,1469.88)
ADC1_INP6: U0.35 | length 45.3
  Top Layer w6: U0.35@1461.69,1450.2 v1(1506.97,1450.2)
ADC1_INP7: U0.36 | length 71.9
  Top Layer w6: U0.36@1461.69,1430.51 v1@1533.57,1430.51
  other v1: 1535.51,1430.51
ADC1_INP8: U0.37 | length 42.1
  Top Layer w6: U0.37@1535.51,1356.69 1536.12,1357.3 1536.12,1397.66 v1(1536.73,1398.27)
ADC1_INP9: U0.40 | length 93.9
  Top Layer w6: v5(1593.58,1450.2) 1594.07,1449.7 1594.07,1357.18 U0.40@1594.57,1356.69
ADC1_INP10: U0.41 | length 41.6
  Top Layer w6: U0.41@1614.25,1356.69 v1(1614.25,1398.27)
ADC1_INP11: U0.42 | length 93.5
  Top Layer w6: U0.42@1633.94,1356.69 v1(1633.94,1450.2)
ADC1_INP12: U0.43 | length 41.6
  Top Layer w6: U0.43@1653.62,1356.69 v1(1653.62,1398.27)
ADC3_INP1: U0.26 | length 113.2
  Top Layer w6: U0.26@1461.69,1627.36 v1(1574.88,1627.36)
ADC3_INP2: U0.27 | length 152.4
  Top Layer w6: U0.27@1461.69,1607.68 1461.9,1607.47 1613.74,1607.47 v1(1613.95,1607.27)
ADC3_INP3: U0.28 | length 73.8
  Top Layer w6: U0.28@1461.69,1587.99 v1(1535.51,1587.99)
ADC3_INP4: U0.29 | length 114.6
  Top Layer w6: U0.29@1461.69,1568.31 1463.43,1566.57 1573.15,1566.57 v1(1574.88,1564.84)
B_2_OBC: H1.8 U11.3 | length 1148.1
  Top Layer w10: U11.3@2338,2514.31 2362.22,2514.31 2368.08,2520.17 2368.08,2578.25 2439.83,2650 3325.2,2650 H1.8@3375.2,2700
BOOT0: J8.2 U0.138 | length 1640.1
  Top Layer w6: v1(1653.62,2119.49) U0.138@1653.62,2192.81
  vertical w15: J8.2@1300,3400 1376.22,3323.78 1614.84,3323.78 1623.62,3314.99 1623.62,2237.76 1623.62,2149.49 v1(1653.62,2119.49)
CAN1_RX: U0.114 U8.1 | length 1328.3
  Top Layer w6: v1(2126.06,2119.49) U0.114@2126.06,2192.81
  horizontal w10: v2(2131,2793) 2132,2792 2578.51,2792 v10(2636,2849.49)
  vertical w6: v1(2126.06,2119.49) 2126.06,2237.76 ; 2126.06,2784.27 2131,2789.21 v2(2131,2793)
  vertical w8: 2126.06,2237.76 2126.06,2784.27
  Bottom Layer w6: v10(2636,2849.49) 2636.77,2849.49 2648.9,2861.61 U8.1@2681.21,2861.61
CAN1_TX: U0.115 U8.4 | length 1420.5
  Top Layer w6: v1(2106.38,2151.73) U0.115@2106.38,2193.31
  horizontal w10: v2(2106.38,2950.75) 2106.79,2950.34 2635.59,2950.34 v10(2636,2949.92)
  vertical w8: v1(2106.38,2151.73) v2(2106.38,2950.75)
  Bottom Layer w6: v10(2636,2949.92) 2638.68,2947.24 2653.99,2947.24 2662.85,2938.39 U8.4@2681.21,2938.39
CAN2_RX: U0.73 U9.1 | length 2337.9
  Top Layer w6: v1(2224.9,1430.51) U0.73@2298.31,1430.51 ; v4(2664.37,3138.39) U9.1@2708.64,3138.39
  horizontal w6: v1(2224.9,1430.51) 2252.11,1403.3 2342.76,1403.3
  horizontal w8: 2342.76,1403.3 2686.07,1403.3 v2(2687.37,1402)
  vertical w10: v4(2664.37,3138.39) 2687.37,3115.39 v2(2687.37,1402)
CAN2_TX: U0.74 U9.4 | length 2134.2
  Top Layer w6: v1@2257.28,1449.64 2257.56,1449.92 2298.03,1449.92 U0.74@2298.31,1450.2 ; v4(2664.37,3062.39) 2665.14,3061.61 U9.4@2708.64,3061.61
  horizontal w6: v1(2256.73,1449.64) 2342.76,1449.64
  horizontal w8: 2342.76,1449.64 2646.73,1449.64 2664.37,1432.01 v2(2664.37,1430.51)
  vertical w10: v2(2664.37,1430.51) v4(2664.37,3062.39)
CAN_A_H: D2.2 H1.3 R21.1 U8.7 | length 797
  Top Layer w15: v3(2887.87,2862.6) 2992.54,2862.6 3030.78,2824.36 R21.1@3127.24,2824.36
  Bottom Layer w12: U8.7@2763.92,2887.2 3201.2,2887.2 3214,2900 H1.3@3275.2,2900
  Bottom Layer w15: v3(2887.87,2862.6) 2887.87,2887.8
CAN_A_L: D2.1 H1.1 R22.2 U8.6 | length 827.2
  Top Layer w15: v3(2887.87,2937.4) 2992.54,2937.4 3030.78,2975.64 R22.2@3127.24,2975.64
  Bottom Layer w12: U8.6@2763.92,2912.8 3187.99,2912.8 H1.1@3275.2,3000
  Bottom Layer w15: 2887.87,2912.8 v3(2887.87,2937.4)
CAN_B_H: D3.2 H1.2 R23.1 U9.7 | length 846.3
  Top Layer w15: U9.7@2791.36,3112.8 3060.63,3112.8 ; v3(3060.63,3137.4) 3060.63,3112.8 ; H1.2@3375.2,3000 3365.64,3009.56 3365.64,3034.62 3287.47,3112.8 3060.63,3112.8
  Bottom Layer w15: R23.1@2900,3175.64 2957.1,3175.64 2995.33,3137.4 v3(3060.63,3137.4)
CAN_B_L: D3.1 H1.4 R24.2 U9.6 | length 908.4
  Top Layer w15: U9.6@2791.36,3087.2 3056.93,3087.2 3277.7,3087.2 3325.18,3039.73 3325.18,2950.02 H1.4@3375.2,2900 ; 3059.71,3080.2 3059.71,3063.52 v3(3060.63,3062.6)
  Bottom Layer w15: R24.2@2900,3024.36 2957.1,3024.36 2995.33,3062.6 v3(3060.63,3062.6)
DEBUG_2_OBC: D11.1 J3.3 U13.1 | length 322.2
  Top Layer w10: J3.3@150,2950 D11.1@250,2950 412.39,2950 414.02,2951.63 461.95,2951.63 462.68,2950.91 469.96,2950.91 U13.1@470.87,2950
DEBUG_LED1: D4.1 U0.123 | length 1058.5
  Top Layer w9: U0.123@1948.9,2193.31 1948.9,2583.82 2150,2784.93 D4.1@2150,3168.5
DEBUG_LED2: D5.1 U0.127 | length 1060
  Top Layer w9: U0.127@1870.16,2193.31 1870.16,2237.76 1870.16,2581.95 2075,2786.8 D5.1@2075,3168.5
DEBUG_LED3: D6.1 U0.132 | length 1069.7
  Top Layer w9: U0.132@1771.73,2193.31 1771.73,2570.24 2000,2798.51 D6.1@2000,3168.5
DEBUG_LED4: D7.1 U0.135 | length 1063.1
  Top Layer w9: U0.135@1712.68,2193.31 1712.68,2578.21 1925,2790.54 D7.1@1925,3168.5
DEBUG_LED5: D8.1 U0.136 | length 1029.9
  Top Layer w9: U0.136@1692.99,2193.31 1692.99,2237.76 1692.99,2631.99 1825,2764 D8.1@1825,3168.5
DEBUG_LED6: D12.1 U0.139 | length 1023.3
  Top Layer w9: U0.139@1633.94,2193.31 1633.94,2237.76 1633.94,3040.07 1738.75,3144.88 1739.89,3146.02 1739.89,3158.4 D12.1@1750,3168.5
DEBUG_LED7: D13.1 U0.140 | length 1000.4
  Top Layer w9: U0.140@1614.25,2193.31 1614.25,3107.76 D13.1@1675,3168.5
DEBUG_LED8: D14.1 U0.141 | length 977.4
  Top Layer w9: U0.141@1594.57,2193.31 D14.1@1594.57,3163.07
  Top Layer w10: D14.1@1594.57,3163.07 D14.1@1600,3168.5
DONE: U0.15 U1.4 | length 2219.8
  Top Layer w6: U1.4@437.4,845.47 v1(437.4,892.13) ; U0.15@1461.69,1843.9 v1(1535.51,1843.9)
  horizontal w8: 1391.97,1843.9 v1(1535.51,1843.9)
  horizontal w10: v2(484,1888) 484.87,1888 501.87,1905 994.13,1905 1055.55,1843.58 1391.65,1843.58 1391.97,1843.9
  vertical w10: v1(437.4,892.13) 437.4,1841.4 v2(484,1888)
DRDY_MMC5983MA: U0.77 U4.15 | length 694.8
  Top Layer w6: v3@2224.88,1508.86 2297.91,1508.86 U0.77@2298.31,1509.25 ; v1(2290,979) 2290.08,978.92 2290.08,950.28 U4.15@2290.16,950.2
  vertical w6: v3(2225.47,1508.86) 2286.49,1508.86 2290,1505.34
  vertical w10: v1(2290,979) 2290,1505.34
ESP_2_OBC: H1.15 U12.3 | length 1049.3
  Top Layer w10: v6(2301.19,2382.16) 2303.1,2384.07 2322,2384.07 2329.81,2391.88 2337.09,2391.88 U12.3@2338,2392.79
  horizontal w10: v6(2301.19,2382.16) 2377.35,2306 3269.2,2306 H1.15@3275.2,2300